# KiCad board FetsAndCrosses.kicad_pcb (continued)
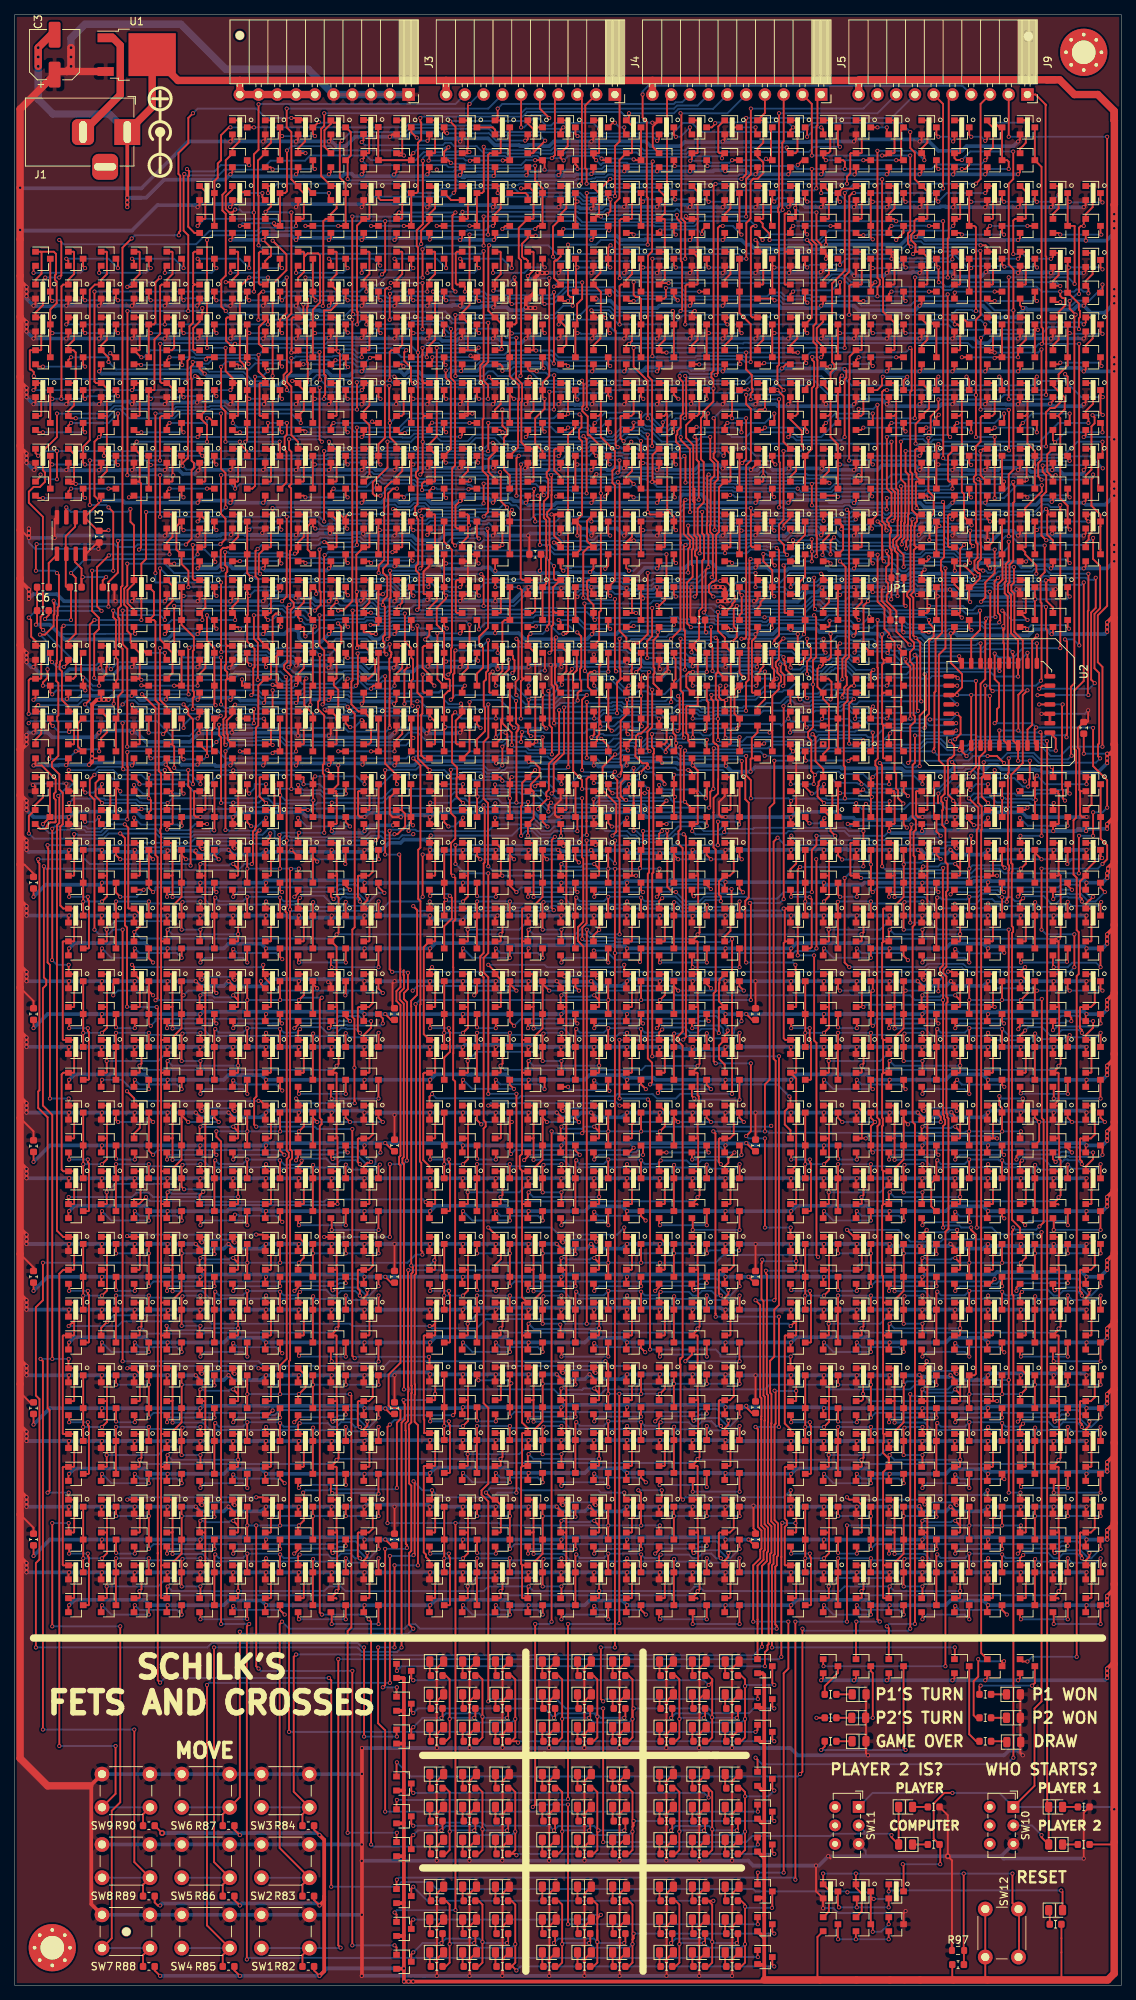
[diagram p0: board, top side]
## Routing (per net, layer and track width the routed paths; a pad name or vN(x,y) marks a point on that pad's centre or on a via; arc(x,y) is an arc through that point) (continued)
  Bottom w0.25: v1(34.85,99.06) v1(40.39,99.06) v1(44.83,99.06) v1(49.28,99.06) ; v1(32.7,101.6) 15.42,101.6 v1(15.21,101.39)
/PlayerMem_1/Sheet5EFB6D22/sheet5F46F157/B: length 21.1
  Top w0.25: 12.42,96.83 Q37.1 ; 12.42,96.83 12.49,96.91 12.49,101.2 12.42,101.28 Q38.1 ; 12.42,96.83 12.49,96.76 12.49,94.03 v1(11.81,93.34) ; Q39.3 Q40.3 v1(9.27,93.34) Q42.3
  Bottom w0.25: v1(9.27,93.34) v1(11.81,93.34)
/PlayerMem_1/sheet5F17B538/sheet5EFB6E86/D: length 49.9
  Top w0.25: Q46.3 v1(62.61,99.06) ; Q43.3 v1(67.06,99.06) Q44.3 v1(67.06,94.61) ; 96.16,87.94 96.86,87.94 96.93,88.02 96.93,92.31 96.86,92.39 Q68.1 96.16,93.04 96.65,93.54 v1(96.65,94.06)
  Bottom w0.25: v1(62.61,99.06) v1(67.06,99.06) ; v1(67.06,94.61) 67.69,95.25 92.45,95.25 92.83,95.63 95.08,95.63 v1(96.65,94.06)
/PlayerMem_1/sheet5F17B538/sheet5EFB6E86/sheet5EFA4EF6/A: length 31.4
  Top w0.25: Q75.3 71.48,99.08 v1(71.5,99.06) 71.5,95.9 Q76.3 71.48,93.96 70.41,92.89 v1(70.41,90.77) ; v1(75.95,98.97) 75.93,98.99 Q78.3 ; Q47.1 61.3,92.39 61.37,92.31 61.37,89.51 v1(61.34,89.53) 61.37,88.02 61.3,87.94 60.59,87.94
  Bottom w0.25: v1(75.95,98.97) 75.86,99.06 v1(71.5,99.06) ; v1(61.34,89.53) 62.58,90.77 v1(70.41,90.77)
/PlayerMem_1/sheet5F17B538/sheet5EFB6E86/sheet5EFA5AF5/A: length 51.2
  Top w0.25: Q74.1 96.86,101.28 97.38,100.76 97.38,97.36 96.86,96.83 Q73.1 95.45,96.83 95.36,96.74 95.36,93.62 v1(95.63,93.34) ; Q59.3 Q57.3 75.93,93.75 v1(76.05,93.87) ; 87.27,87.94 87.97,87.94 88.04,88.02 88.04,92.31 87.97,92.39 Q63.1 87.27,93.63 v1(87.48,93.85) ; Q58.3 80.38,93.96 v1(80.39,93.98) ; v1(84.84,93.86) 84.82,93.85 Q62.3
  Bottom w0.25: v1(76.05,93.87) 76.55,93.38 79.79,93.38 v1(80.39,93.98) 84.72,93.98 v1(84.84,93.86) 85.32,93.38 87.01,93.38 v1(87.48,93.85) 91.32,93.85 91.82,93.34 92.46,93.34 93.09,93.98 94.36,93.98 95,93.34 v1(95.63,93.34)
/PlayerMem_1/sheet5F17B538/sheet5EFB6E86/sheet5EFA557C/A: length 59.4
  Top w0.25: 74.63,96.83 74.71,96.91 74.71,101.2 74.63,101.28 Q78.1 73.93,100.63 74.02,100.54 v1(74.22,100.54) ; 74.63,96.83 Q77.1 73.93,98.31 v1(74.04,98.42) ; 74.63,96.83 74.71,96.76 74.71,92.47 74.63,92.39 Q57.1 74.04,92.5 v1(74.04,93.34) ; Q54.1 79.08,96.83 79.15,96.91 79.15,97.82 ; v1(78.49,98.42) 79.09,97.82 79.15,97.82 ; 79.15,97.82 79.15,101.2 79.08,101.28 Q53.1 78.38,101.05 v1(78.77,100.65) ; Q49.3 Q47.3 62.61,91.46 v1(62.61,93.34) ; Q48.3 67.04,93.33 v1(67.06,93.34) ; v1(71.5,89.53) 71.48,89.55 Q52.3 71.48,93.12 v1(71.61,93.24) ; v1(73.89,89.41) 73.93,89.37 73.93,87.94
  Bottom w0.25: v1(62.61,93.34) v1(67.06,93.34) 67.33,93.07 71.44,93.07 v1(71.61,93.24) 71.71,93.34 v1(74.04,93.34) ; v1(78.49,98.42) 78.1,98.42 77.91,98.24 74.61,98.24 74.43,98.42 v1(74.04,98.42) ; v1(73.89,89.41) 73.76,89.53 v1(71.5,89.53) ; v1(74.22,100.54) 74.61,100.93 78.5,100.93 v1(78.77,100.65)
/PlayerMem_1/sheet5F17B538/sheet5EFB6E86/sheet5EFA6019/A: length 55.7
  Top w0.25: Q76.1 70.19,96.83 70.26,96.91 ; 70.26,96.91 70.26,101.2 70.19,101.28 Q75.1 ; 70.26,96.91 70.27,96.9 v1(70.27,93.94) ; v1(82.93,93.34) 82.82,93.23 Q62.1 83.52,92.39 83.6,92.31 83.6,88.02 83.52,87.94 82.82,87.94 ; Q64.3 93.73,91.46 v1(93.73,93.34) ; Q68.3 98.17,91.46 v1(98.17,93.34) ; Q65.3 Q63.3 89.27,93.21 v1(89.3,93.25)
  Bottom w0.25: v1(98.17,93.34) 97.57,92.74 94.33,92.74 v1(93.73,93.34) 93.73,92.96 93.66,92.89 89.65,92.89 v1(89.3,93.25) 88.99,92.93 83.35,92.93 v1(82.93,93.34) 82.52,92.93 75.34,92.93 74.33,93.95 70.66,93.95 70.66,93.94 v1(70.27,93.94)
/PlayerMem_1/sheet5F17B538/sheet5F46F157/A: length 54.9
  Top w0.25: Q55.1 83.52,96.83 83.6,96.91 83.6,101.2 83.52,101.28 Q56.1 82.55,101.55 v1(82.55,102.55) ; Q69.3 89.27,99.08 v1(89.28,99.06) 89.27,99.04 Q71.3 ; 83.6,99.06 v1(83.75,99.06) ; Q70.3 93.73,100.31 v1(93.73,99.06) ; Q74.3 98.16,99.53 v1(98.08,99.46) ; Q44.1 65.06,97.48 65.83,98.26 65.83,101.2 65.76,101.28 Q43.1 65.06,101.63 v1(64.14,102.55)
  Bottom w0.25: v1(83.75,99.06) v1(89.28,99.06) v1(93.73,99.06) 94.12,99.46 v1(98.08,99.46) ; v1(64.14,102.55) 72.71,102.55 73.66,101.6 81.6,101.6 v1(82.55,102.55)
/PlayerMem_1/sheet5F17B538/sheet5F46F157/B: length 21.1
  Top w0.25: 61.31,96.83 Q45.1 ; 61.31,96.83 61.39,96.91 61.39,101.2 61.31,101.28 Q46.1 ; 61.31,96.83 61.39,96.76 61.39,94.03 v1(60.71,93.34) ; Q79.3 Q80.3 v1(58.17,93.34) Q82.3
  Bottom w0.25: v1(58.17,93.34) v1(60.71,93.34)
/PlayerMem_1/sheet5F17D798/sheet5EFB6E86/D: length 50.1
  Top w0.25: Q86.3 v1(111.51,99.06) ; Q83.3 v1(115.95,99.06) Q84.3 v1(115.95,94.61) ; 145.05,87.94 145.75,87.94 145.83,88.02 145.83,92.31 145.75,92.39 Q110.1 145.05,93.04 145.55,93.54 v1(145.55,94.06)
  Bottom w0.25: v1(111.51,99.06) v1(115.95,99.06) ; v1(145.55,94.06) 143.98,95.63 133.67,95.63 133,94.97 132.43,94.97 132.14,95.25 116.59,95.25 v1(115.95,94.61)
/PlayerMem_1/sheet5F17D798/sheet5EFB6E86/sheet5EFA4EF6/A: length 31.5
  Top w0.25: Q117.3 120.38,99.08 v1(120.4,99.06) 120.4,95.9 Q118.3 120.38,93.96 119.31,92.89 v1(119.31,90.68) ; v1(124.84,98.97) 124.83,98.99 Q120.3 ; Q89.1 110.19,92.39 110.27,92.31 110.27,89.51 v1(110.24,89.53) 110.27,88.02 110.19,87.94 109.49,87.94
  Bottom w0.25: v1(124.84,98.97) 124.75,99.06 v1(120.4,99.06) ; v1(119.31,90.68) 118.37,90.68 117.22,89.53 v1(110.24,89.53)
/PlayerMem_1/sheet5F17D798/sheet5EFB6E86/sheet5EFA5AF5/A: length 51.4
  Top w0.25: Q116.1 145.75,101.28 146.27,100.76 146.27,97.36 145.75,96.83 Q115.1 144.35,96.83 144.27,96.76 144.27,93.98 144.53,93.73 v1(144.53,93.34) ; Q101.3 Q99.3 124.83,93.75 v1(124.95,93.87) ; 136.16,87.94 136.86,87.94 136.94,88.02 136.94,92.31 136.86,92.39 Q105.1 136.16,93.59 v1(136.41,93.84) ; Q100.3 129.27,93.96 v1(129.29,93.98) ; v1(133.73,93.86) 133.72,93.85 Q104.3
  Bottom w0.25: v1(124.95,93.87) 125.44,93.38 128.69,93.38 v1(129.29,93.98) 133.62,93.98 v1(133.73,93.86) 134.22,93.38 135.95,93.38 v1(136.41,93.84) 136.68,94.12 139.95,94.12 140.72,93.34 141.35,93.34 141.99,93.98 143.89,93.98 v1(144.53,93.34)
/PlayerMem_1/sheet5F17D798/sheet5EFB6E86/sheet5EFA557C/A: length 60.2
  Top w0.25: 123.52,96.83 123.6,96.91 123.6,101.2 123.52,101.28 Q120.1 ; 123.52,96.83 Q119.1 122.83,98.31 v1(122.94,98.42) ; 123.52,96.83 123.6,96.76 123.6,92.47 123.52,92.39 Q99.1 122.94,92.5 v1(122.94,93.34) ; Q120.1 122.83,101.05 122.95,100.93 ; Q120.1 122.83,101.55 v1(123.51,102.23) ; Q96.1 127.97,96.83 128.05,96.91 128.05,97.82 ; v1(127.38,98.42) 127.99,97.82 128.05,97.82 ; 128.05,97.82 128.05,101.2 127.97,101.28 Q95.1 127.64,101.64 v1(127.64,102.23) ; Q91.3 Q89.3 111.51,91.46 v1(111.51,93.34) ; Q90.3 115.94,93.33 v1(115.95,93.34) ; v1(120.4,89.53) 120.38,89.55 Q94.3 120.38,93.12 v1(120.5,93.24) ; 122.83,87.94 122.94,88.06 v1(122.94,89.53)
  Bottom w0.25: v1(111.51,93.34) v1(115.95,93.34) 116.23,93.07 120.33,93.07 v1(120.5,93.24) 120.61,93.34 v1(122.94,93.34) ; v1(120.4,89.53) v1(122.94,89.53) ; v1(127.38,98.42) 126.99,98.42 126.81,98.24 123.51,98.24 123.32,98.42 v1(122.94,98.42) ; v1(127.64,102.23) 126.68,102.23 126.36,101.92 123.83,101.92 v1(123.51,102.23)
/PlayerMem_1/sheet5F17D798/sheet5EFB6E86/sheet5EFA6019/A: length 55.7
  Top w0.25: Q118.1 119.08,96.83 119.16,96.91 ; 119.16,96.91 119.16,101.2 119.08,101.28 Q117.1 ; 119.16,96.91 119.16,96.9 v1(119.16,93.94) ; v1(131.83,93.34) 131.72,93.23 Q104.1 132.41,92.39 132.49,92.31 132.49,88.02 132.41,87.94 131.72,87.94 ; Q106.3 142.62,91.46 v1(142.62,93.34) ; Q110.3 147.07,91.46 v1(147.07,93.34) ; Q107.3 Q105.3 138.16,93.21 v1(138.2,93.25)
  Bottom w0.25: v1(147.07,93.34) 146.47,92.74 143.22,92.74 v1(142.62,93.34) 142.62,92.96 142.56,92.89 138.55,92.89 v1(138.2,93.25) 137.88,92.93 132.24,92.93 v1(131.83,93.34) 131.41,92.93 124.24,92.93 123.22,93.95 119.56,93.95 119.55,93.94 v1(119.16,93.94)
/PlayerMem_1/sheet5F17D798/sheet5F46F157/A: length 57
  Top w0.25: Q97.1 132.41,96.83 132.49,96.91 132.49,101.2 132.41,101.28 Q98.1 132.03,100.96 v1(132.72,100.96) ; Q111.3 138.16,99.08 v1(138.18,99.06) 138.16,99.04 Q113.3 ; 132.49,99.06 v1(132.64,99.06) ; Q112.3 142.62,100.31 v1(142.62,99.06) ; Q116.3 147.07,100.31 v1(147.07,99.06) ; Q84.1 114.65,96.83 114.73,96.91 114.73,101.2 114.65,101.28 Q83.1 113.67,101.28 v1(112.71,102.23)
  Bottom w0.25: v1(132.64,99.06) v1(138.18,99.06) v1(142.62,99.06) v1(147.07,99.06) ; v1(112.71,102.23) 119.7,102.23 121.29,100.65 125.41,100.65 125.73,100.96 v1(132.72,100.96)
/PlayerMem_1/sheet5F17D798/sheet5F46F157/B: length 21.1
  Top w0.25: 110.21,96.83 Q85.1 ; 110.21,96.83 110.28,96.91 110.28,101.2 110.21,101.28 Q86.1 ; 110.21,96.83 110.28,96.76 110.28,94.03 v1(109.6,93.34) ; Q87.3 Q88.3 v1(107.06,93.34) Q122.3
  Bottom w0.25: v1(107.06,93.34) v1(109.6,93.34)
/PlayerMem_1/sheet5F1827A6/sheet5EFB6E86/D: length 49.9
  Top w0.25: Q214.3 v1(13.72,63.5) ; Q211.3 v1(18.16,63.5) Q212.3 v1(18.16,59.05) ; 47.26,52.38 47.96,52.38 48.04,52.46 48.04,56.75 47.96,56.83 Q278.1 47.26,57.48 47.76,57.98 v1(47.76,58.5)
  Bottom w0.25: v1(13.72,63.5) v1(18.16,63.5) ; v1(18.16,59.05) 18.8,59.69 43.56,59.69 43.94,60.07 46.19,60.07 v1(47.76,58.5)
/PlayerMem_1/sheet5F1827A6/sheet5EFB6E86/sheet5EFA4EF6/A: length 31.5
  Top w0.25: Q285.3 22.59,63.52 v1(22.61,63.5) 22.61,60.34 Q286.3 22.59,58.4 21.52,57.33 v1(21.52,55.12) ; v1(27.05,63.41) 27.04,63.43 Q288.3 ; Q257.1 12.4,56.83 12.48,56.75 12.48,53.95 v1(12.45,53.97) 12.48,52.46 12.4,52.38 11.7,52.38
  Bottom w0.25: v1(27.05,63.41) 26.96,63.5 v1(22.61,63.5) ; v1(21.52,55.12) 20.58,55.12 19.43,53.97 v1(12.45,53.97)
/PlayerMem_1/sheet5F1827A6/sheet5EFB6E86/sheet5EFA5AF5/A: length 51.2
  Top w0.25: Q284.1 47.96,65.72 48.48,65.2 48.48,61.8 47.96,61.27 Q283.1 46.56,61.27 46.46,61.18 46.46,58.06 v1(46.74,57.78) ; Q269.3 Q267.3 27.04,58.19 v1(27.16,58.31) ; 38.37,52.38 39.07,52.38 39.15,52.46 39.15,56.75 39.07,56.83 Q273.1 38.37,58.07 v1(38.58,58.29) ; Q268.3 31.48,58.4 v1(31.5,58.42) ; v1(35.94,58.3) 35.92,58.29 Q272.3
  Bottom w0.25: v1(27.16,58.31) 27.65,57.82 30.9,57.82 v1(31.5,58.42) 35.83,58.42 v1(35.94,58.3) 36.43,57.82 38.12,57.82 v1(38.58,58.29) 42.42,58.29 42.93,57.78 43.56,57.78 44.2,58.42 45.47,58.42 46.1,57.78 v1(46.74,57.78)
/PlayerMem_1/sheet5F1827A6/sheet5EFB6E86/sheet5EFA557C/A: length 59.8
  Top w0.25: 25.74,61.27 25.81,61.35 25.81,65.64 25.74,65.72 Q288.1 25.04,65.07 25.12,64.98 v1(25.32,64.98) ; 25.74,61.27 Q287.1 25.04,62.75 v1(25.15,62.86) ; 25.74,61.27 25.81,61.2 25.81,56.91 25.74,56.83 Q267.1 25.15,56.94 v1(25.15,57.78) ; Q264.1 30.18,61.27 30.26,61.35 30.26,62.26 ; v1(29.59,62.86) 30.2,62.26 30.26,62.26 ; 30.26,62.26 30.26,65.64 30.18,65.72 Q263.1 29.48,65.07 29.57,64.98 v1(29.77,64.98) ; Q259.3 Q257.3 13.72,55.9 v1(13.72,57.78) ; Q258.3 18.14,57.77 v1(18.16,57.78) ; v1(22.61,53.97) 22.59,53.99 Q262.3 22.59,57.56 v1(22.71,57.68) ; 25.04,52.38 25.15,52.5 v1(25.15,53.97)
  Bottom w0.25: v1(25.32,64.98) 25.71,65.37 29.38,65.37 v1(29.77,64.98) ; v1(13.72,57.78) v1(18.16,57.78) 18.44,57.51 22.54,57.51 v1(22.71,57.68) 22.82,57.78 v1(25.15,57.78) ; v1(22.61,53.97) v1(25.15,53.97) ; v1(29.59,62.86) 29.2,62.86 29.02,62.68 25.72,62.68 25.53,62.86 v1(25.15,62.86)
/PlayerMem_1/sheet5F1827A6/sheet5EFB6E86/sheet5EFA6019/A: length 55.7
  Top w0.25: Q286.1 21.29,61.27 21.37,61.35 ; 21.37,61.35 21.37,65.64 21.29,65.72 Q285.1 ; 21.37,61.35 21.37,61.34 v1(21.37,58.38) ; v1(34.04,57.78) 33.92,57.67 Q272.1 34.62,56.83 34.7,56.75 34.7,52.46 34.62,52.38 33.92,52.38 ; Q274.3 44.83,55.9 v1(44.83,57.78) ; Q278.3 49.28,55.9 v1(49.28,57.78) ; Q275.3 Q273.3 40.37,57.65 v1(40.41,57.69)
  Bottom w0.25: v1(49.28,57.78) 48.68,57.18 45.43,57.18 v1(44.83,57.78) 44.83,57.4 44.77,57.33 40.76,57.33 v1(40.41,57.69) 40.09,57.37 34.45,57.37 v1(34.04,57.78) 33.62,57.37 26.45,57.37 25.43,58.39 21.77,58.39 21.76,58.38 v1(21.37,58.38)
/PlayerMem_1/sheet5F1827A6/sheet5F46F157/A: length 53.3
  Top w0.25: Q265.1 34.62,61.27 34.7,61.35 34.7,65.64 34.62,65.72 Q266.1 33.61,66.04 v1(32.7,66.04) ; Q279.3 40.37,63.52 v1(40.39,63.5) 40.37,63.48 Q281.3 ; 34.7,63.5 v1(34.85,63.5) ; Q280.3 44.83,64.75 v1(44.83,63.5) ; Q284.3 49.28,64.75 v1(49.28,63.5) ; Q212.1 16.86,61.27 16.94,61.35 16.94,65.64 16.86,65.72 Q211.1 15.24,65.72 v1(15.24,65.72)
  Bottom w0.25: v1(34.85,63.5) v1(40.39,63.5) v1(44.83,63.5) v1(49.28,63.5) ; v1(32.7,66.04) 15.56,66.04 v1(15.24,65.72)
/PlayerMem_1/sheet5F1827A6/sheet5F46F157/B: length 21.1
  Top w0.25: 12.42,61.27 Q213.1 ; 12.42,61.27 12.49,61.35 12.49,65.64 12.42,65.72 Q214.1 ; 12.42,61.27 12.49,61.2 12.49,58.47 v1(11.81,57.78) ; Q247.3 Q248.3 v1(9.27,57.78) Q250.3
  Bottom w0.25: v1(9.27,57.78) v1(11.81,57.78)
/PlayerMem_1/sheet5F1827A7/sheet5EFB6E86/D: length 49.9
  Top w0.25: Q254.3 v1(62.61,63.5) ; Q251.3 v1(67.06,63.5) Q252.3 v1(67.06,59.05) ; 96.16,52.38 96.86,52.38 96.93,52.46 96.93,56.75 96.86,56.83 Q320.1 96.16,57.48 96.65,57.98 v1(96.65,58.5)
  Bottom w0.25: v1(62.61,63.5) v1(67.06,63.5) ; v1(67.06,59.05) 67.69,59.69 92.45,59.69 92.83,60.07 95.08,60.07 v1(96.65,58.5)
/PlayerMem_1/sheet5F1827A7/sheet5EFB6E86/sheet5EFA4EF6/A: length 31.5
  Top w0.25: Q327.3 71.48,63.52 v1(71.5,63.5) 71.5,60.34 Q328.3 71.48,58.4 70.41,57.33 v1(70.41,55.12) ; v1(75.95,63.41) 75.93,63.43 Q330.3 ; Q299.1 61.3,56.83 61.37,56.75 61.37,53.95 v1(61.34,53.97) 61.37,52.46 61.3,52.38 60.59,52.38
  Bottom w0.25: v1(75.95,63.41) 75.86,63.5 v1(71.5,63.5) ; v1(61.34,53.97) 62.49,55.12 v1(70.41,55.12)
/PlayerMem_1/sheet5F1827A7/sheet5EFB6E86/sheet5EFA5AF5/A: length 51.2
  Top w0.25: Q326.1 96.86,65.72 97.38,65.2 97.38,61.8 96.86,61.27 Q325.1 95.45,61.27 95.36,61.18 95.36,58.06 v1(95.63,57.78) ; Q311.3 Q309.3 75.93,58.19 v1(76.05,58.31) ; 87.27,52.38 87.97,52.38 88.04,52.46 88.04,56.75 87.97,56.83 Q315.1 87.27,58.07 v1(87.48,58.29) ; Q310.3 80.38,58.4 v1(80.39,58.42) ; v1(84.84,58.3) 84.82,58.29 Q314.3
  Bottom w0.25: v1(76.05,58.31) 76.55,57.82 79.79,57.82 v1(80.39,58.42) 84.72,58.42 v1(84.84,58.3) 85.32,57.82 87.01,57.82 v1(87.48,58.29) 91.32,58.29 91.82,57.78 92.46,57.78 93.09,58.42 94.36,58.42 95,57.78 v1(95.63,57.78)
/PlayerMem_1/sheet5F1827A7/sheet5EFB6E86/sheet5EFA557C/A: length 59.8
  Top w0.25: 74.63,61.27 74.71,61.35 74.71,65.64 74.63,65.72 Q330.1 73.93,65.07 74.02,64.98 v1(74.22,64.98) ; 74.63,61.27 Q329.1 73.93,62.75 v1(74.04,62.86) ; 74.63,61.27 74.71,61.2 74.71,56.91 74.63,56.83 Q309.1 74.04,56.94 v1(74.04,57.78) ; Q306.1 79.08,61.27 79.15,61.35 79.15,62.26 ; v1(78.49,62.86) 79.09,62.26 79.15,62.26 ; 79.15,62.26 79.15,65.64 79.08,65.72 Q305.1 78.38,65.07 78.46,64.98 v1(78.66,64.98) ; Q301.3 Q299.3 62.61,55.9 v1(62.61,57.78) ; Q300.3 67.04,57.77 v1(67.06,57.78) ; v1(71.5,53.97) 71.48,53.99 Q304.3 71.48,57.56 v1(71.61,57.68) ; 73.93,52.38 74.04,52.5 v1(74.04,53.97)
  Bottom w0.25: v1(74.22,64.98) 74.61,65.37 78.28,65.37 v1(78.66,64.98) ; v1(62.61,57.78) v1(67.06,57.78) 67.33,57.51 71.44,57.51 v1(71.61,57.68) 71.71,57.78 v1(74.04,57.78) ; v1(71.5,53.97) v1(74.04,53.97) ; v1(78.49,62.86) 78.1,62.86 77.91,62.68 74.61,62.68 74.43,62.86 v1(74.04,62.86)
/PlayerMem_1/sheet5F1827A7/sheet5EFB6E86/sheet5EFA6019/A: length 55.7
  Top w0.25: Q328.1 70.19,61.27 70.26,61.35 ; 70.26,61.35 70.26,65.64 70.19,65.72 Q327.1 ; 70.26,61.35 70.27,61.34 v1(70.27,58.38) ; v1(82.93,57.78) 82.82,57.67 Q314.1 83.52,56.83 83.6,56.75 83.6,52.46 83.52,52.38 82.82,52.38 ; Q316.3 93.73,55.9 v1(93.73,57.78) ; Q320.3 98.17,55.9 v1(98.17,57.78) ; Q317.3 Q315.3 89.27,57.65 v1(89.3,57.69)
  Bottom w0.25: v1(98.17,57.78) 97.57,57.18 94.33,57.18 v1(93.73,57.78) 93.73,57.4 93.66,57.33 89.65,57.33 v1(89.3,57.69) 88.99,57.37 83.35,57.37 v1(82.93,57.78) 82.52,57.37 75.34,57.37 74.33,58.39 70.66,58.39 70.66,58.38 v1(70.27,58.38)
/PlayerMem_1/sheet5F1827A7/sheet5F46F157/A: length 55
  Top w0.25: Q307.1 83.52,61.27 83.6,61.35 83.6,65.64 83.52,65.72 Q308.1 82.55,65.99 v1(82.55,66.67) ; Q321.3 89.27,63.52 v1(89.28,63.5) 89.27,63.48 Q323.3 ; 83.6,63.5 v1(83.75,63.5) ; Q322.3 93.73,64.75 v1(93.73,63.5) ; Q326.3 98.17,64.75 v1(98.17,63.5) ; Q252.1 65.76,61.27 65.83,61.35 65.83,64.99 65.11,65.72 Q251.1 64.77,65.72 v1(63.82,66.67)
  Bottom w0.25: v1(83.75,63.5) v1(89.28,63.5) v1(93.73,63.5) v1(98.17,63.5) ; v1(82.55,66.67) 79.38,66.67 79.06,66.99 68.52,66.99 68.23,67.28 64.42,67.28 v1(63.82,66.67)
/PlayerMem_1/sheet5F1827A7/sheet5F46F157/B: length 21.1
  Top w0.25: 61.31,61.27 Q253.1 ; 61.31,61.27 61.39,61.35 61.39,65.64 61.31,65.72 Q254.1 ; 61.31,61.27 61.39,61.2 61.39,58.47 v1(60.71,57.78) ; Q255.3 Q256.3 v1(58.17,57.78) Q290.3
  Bottom w0.25: v1(58.17,57.78) v1(60.71,57.78)
/PlayerMem_1/sheet5F1827A8/sheet5EFB6E86/D: length 49.9
  Top w0.25: Q294.3 v1(111.51,63.5) ; Q291.3 v1(115.95,63.5) Q292.3 v1(115.95,59.05) ; 145.05,52.38 145.75,52.38 145.83,52.46 145.83,56.75 145.75,56.83 Q362.1 145.05,57.48 145.55,57.98 v1(145.55,58.5)
  Bottom w0.25: v1(111.51,63.5) v1(115.95,63.5) ; v1(115.95,59.05) 116.59,59.69 141.35,59.69 141.73,60.07 143.98,60.07 v1(145.55,58.5)
/PlayerMem_1/sheet5F1827A8/sheet5EFB6E86/sheet5EFA4EF6/A: length 31.5
  Top w0.25: Q369.3 120.38,63.52 v1(120.4,63.5) 120.4,60.34 Q370.3 120.38,58.4 119.31,57.33 v1(119.31,55.12) ; v1(124.84,63.41) 124.83,63.43 Q372.3 ; Q341.1 110.19,56.83 110.27,56.75 110.27,53.95 v1(110.24,53.97) 110.27,52.46 110.19,52.38 109.49,52.38
  Bottom w0.25: v1(124.84,63.41) 124.75,63.5 v1(120.4,63.5) ; v1(119.31,55.12) 111.38,55.12 v1(110.24,53.97)
/PlayerMem_1/sheet5F1827A8/sheet5EFB6E86/sheet5EFA5AF5/A: length 51.4
  Top w0.25: Q368.1 145.75,65.72 146.27,65.2 146.27,61.8 145.75,61.27 Q367.1 144.35,61.27 144.28,61.2 144.28,60.04 144.27,60.04 144.27,58.42 144.53,58.17 v1(144.53,57.78) ; Q353.3 Q351.3 124.83,58.19 v1(124.95,58.31) ; 136.16,52.38 136.86,52.38 136.94,52.46 136.94,56.75 136.86,56.83 Q357.1 136.16,57.81 v1(136.58,58.23) ; Q352.3 129.27,58.4 v1(129.29,58.42) ; v1(133.73,58.3) 133.72,58.29 Q356.3
  Bottom w0.25: v1(124.95,58.31) 125.44,57.82 128.69,57.82 v1(129.29,58.42) 133.62,58.42 v1(133.73,58.3) 134.22,57.82 136.17,57.82 v1(136.58,58.23) 136.86,58.51 139.99,58.51 140.72,57.78 141.35,57.78 141.99,58.42 143.89,58.42 v1(144.53,57.78)
/PlayerMem_1/sheet5F1827A8/sheet5EFB6E86/sheet5EFA557C/A: length 59.4
  Top w0.25: 123.52,61.27 123.6,61.35 123.6,65.64 123.52,65.72 Q372.1 122.83,65.48 v1(123.23,65.07) ; 123.52,61.27 Q371.1 122.83,62.75 v1(122.94,62.86) ; 123.52,61.27 123.6,61.2 123.6,56.91 123.52,56.83 Q351.1 122.94,56.94 v1(122.94,57.78) ; Q348.1 127.97,61.27 128.05,61.35 128.05,62.26 ; v1(127.38,62.86) 127.99,62.26 128.05,62.26 ; 128.05,62.26 128.05,65.64 127.97,65.72 Q347.1 127.27,65.07 127.36,64.98 v1(127.56,64.98) ; Q343.3 Q341.3 111.51,55.9 v1(111.51,57.78) ; Q342.3 115.94,57.77 v1(115.95,57.78) ; v1(120.4,53.97) 120.38,53.99 Q346.3 120.38,57.56 v1(120.5,57.68) ; 122.83,52.38 122.94,52.5 v1(122.94,53.97)
  Bottom w0.25: v1(111.51,57.78) v1(115.95,57.78) 116.23,57.51 120.33,57.51 v1(120.5,57.68) 120.61,57.78 v1(122.94,57.78) ; v1(120.4,53.97) v1(122.94,53.97) ; v1(127.38,62.86) 126.99,62.86 126.81,62.68 123.51,62.68 123.32,62.86 v1(122.94,62.86) ; v1(127.56,64.98) 127.17,65.37 123.92,65.37 123.62,65.07 v1(123.23,65.07)
/PlayerMem_1/sheet5F1827A8/sheet5EFB6E86/sheet5EFA6019/A: length 55.7
  Top w0.25: Q370.1 119.08,61.27 119.16,61.35 ; 119.16,61.35 119.16,65.64 119.08,65.72 Q369.1 ; 119.16,61.35 119.16,61.34 v1(119.16,58.38) ; v1(131.83,57.78) 131.72,57.67 Q356.1 132.41,56.83 132.49,56.75 132.49,52.46 132.41,52.38 131.72,52.38 ; Q358.3 142.62,55.9 v1(142.62,57.78) ; Q362.3 147.07,55.9 v1(147.07,57.78) ; Q359.3 Q357.3 138.16,57.65 v1(138.2,57.69)
  Bottom w0.25: v1(147.07,57.78) 146.47,57.18 143.22,57.18 v1(142.62,57.78) 142.62,57.4 142.56,57.33 138.55,57.33 v1(138.2,57.69) 137.88,57.37 132.24,57.37 v1(131.83,57.78) 131.41,57.37 124.24,57.37 123.22,58.39 119.56,58.39 119.55,58.38 v1(119.16,58.38)
/PlayerMem_1/sheet5F1827A8/sheet5F46F157/A: length 55.5
  Top w0.25: Q349.1 132.41,61.27 132.49,61.35 132.49,65.64 132.41,65.72 Q350.1 131.76,65.67 v1(131.76,66.99) ; Q363.3 138.16,63.52 v1(138.18,63.5) 138.16,63.48 Q365.3 ; 132.49,63.5 v1(132.64,63.5) ; Q364.3 142.62,64.75 v1(142.62,63.5) ; Q368.3 147.07,64.75 v1(147.07,63.5) ; Q292.1 114.65,61.27 114.73,61.35 114.73,64.99 114,65.72 Q291.1 113.03,65.72 v1(112.71,66.04)
  Bottom w0.25: v1(132.64,63.5) v1(138.18,63.5) v1(142.62,63.5) v1(147.07,63.5) ; v1(112.71,66.04) 113.03,65.72 123.51,65.72 124.14,66.36 131.13,66.36 v1(131.76,66.99)
/PlayerMem_1/sheet5F1827A8/sheet5F46F157/B: length 21.1
  Top w0.25: 110.21,61.27 Q293.1 ; 110.21,61.27 110.28,61.35 110.28,65.64 110.21,65.72 Q294.1 ; 110.21,61.27 110.28,61.2 110.28,58.47 v1(109.6,57.78) ; Q295.3 Q296.3 v1(107.06,57.78) Q298.3
  Bottom w0.25: v1(107.06,57.78) v1(109.6,57.78)
/PlayerMem_1/sheet5F18011C/sheet5EFB6E86/D: length 50.1
  Top w0.25: Q126.3 v1(13.72,81.28) ; Q123.3 v1(18.16,81.28) Q124.3 v1(18.16,76.83) ; 47.26,70.16 47.96,70.16 48.04,70.24 48.04,74.53 47.96,74.61 Q152.1 47.26,75.26 47.76,75.76 v1(47.76,76.28)
  Bottom w0.25: v1(13.72,81.28) v1(18.16,81.28) ; v1(47.76,76.28) 46.19,77.85 35.88,77.85 35.21,77.19 34.64,77.19 34.35,77.47 18.8,77.47 v1(18.16,76.83)
/PlayerMem_1/sheet5F18011C/sheet5EFB6E86/sheet5EFA4EF6/A: length 31.5
  Top w0.25: Q159.3 22.59,81.3 v1(22.61,81.28) 22.61,78.12 Q160.3 22.59,76.18 21.52,75.11 v1(21.52,72.9) ; v1(27.05,81.19) 27.04,81.21 Q162.3 ; Q131.1 12.4,74.61 12.48,74.53 12.48,71.73 v1(12.45,71.75) 12.48,70.24 12.4,70.16 11.7,70.16
  Bottom w0.25: v1(27.05,81.19) 26.96,81.28 v1(22.61,81.28) ; v1(21.52,72.9) 20.58,72.9 19.43,71.75 v1(12.45,71.75)
/PlayerMem_1/sheet5F18011C/sheet5EFB6E86/sheet5EFA5AF5/A: length 51.2
  Top w0.25: Q158.1 47.96,83.5 48.48,82.98 48.48,79.58 47.96,79.05 Q157.1 46.56,79.05 46.46,78.96 46.46,75.84 v1(46.74,75.56) ; Q143.3 Q141.3 27.04,75.97 v1(27.16,76.09) ; 38.37,70.16 39.07,70.16 39.15,70.24 39.15,74.53 39.07,74.61 Q147.1 38.37,75.85 v1(38.58,76.07) ; Q142.3 31.48,76.18 v1(31.5,76.2) ; v1(35.94,76.08) 35.92,76.07 Q146.3
  Bottom w0.25: v1(27.16,76.09) 27.65,75.6 30.9,75.6 v1(31.5,76.2) 35.83,76.2 v1(35.94,76.08) 36.43,75.6 38.12,75.6 v1(38.58,76.07) 42.42,76.07 42.93,75.56 43.56,75.56 44.2,76.2 45.47,76.2 46.1,75.56 v1(46.74,75.56)
/PlayerMem_1/sheet5F18011C/sheet5EFB6E86/sheet5EFA557C/A: length 59.8
  Top w0.25: 25.74,79.05 25.81,79.13 25.81,83.42 25.74,83.5 Q162.1 25.04,82.85 25.12,82.76 v1(25.32,82.76) ; 25.74,79.05 Q161.1 25.04,80.53 v1(25.15,80.64) ; 25.74,79.05 25.81,78.98 25.81,74.69 25.74,74.61 Q141.1 25.15,74.72 v1(25.15,75.56) ; Q138.1 30.18,79.05 30.26,79.13 30.26,80.04 ; v1(29.59,80.64) 30.2,80.04 30.26,80.04 ; 30.26,80.04 30.26,83.42 30.18,83.5 Q137.1 29.48,82.85 29.57,82.76 v1(29.77,82.76) ; Q133.3 Q131.3 13.72,73.68 v1(13.72,75.56) ; Q132.3 18.14,75.55 v1(18.16,75.56) ; v1(22.61,71.75) 22.59,71.77 Q136.3 22.59,75.34 v1(22.71,75.46) ; 25.04,70.16 25.15,70.28 v1(25.15,71.75)
  Bottom w0.25: v1(25.32,82.76) 25.71,83.15 29.38,83.15 v1(29.77,82.76) ; v1(13.72,75.56) v1(18.16,75.56) 18.44,75.29 22.54,75.29 v1(22.71,75.46) 22.82,75.56 v1(25.15,75.56) ; v1(22.61,71.75) v1(25.15,71.75) ; v1(29.59,80.64) 29.2,80.64 29.02,80.46 25.72,80.46 25.53,80.64 v1(25.15,80.64)
/PlayerMem_1/sheet5F18011C/sheet5EFB6E86/sheet5EFA6019/A: length 55.7
  Top w0.25: Q160.1 21.29,79.05 21.37,79.13 ; 21.37,79.13 21.37,83.42 21.29,83.5 Q159.1 ; 21.37,79.13 21.37,79.12 v1(21.37,76.16) ; v1(34.04,75.56) 33.92,75.45 Q146.1 34.62,74.61 34.7,74.53 34.7,70.24 34.62,70.16 33.92,70.16 ; Q148.3 44.83,73.68 v1(44.83,75.56) ; Q152.3 49.28,73.68 v1(49.28,75.56) ; Q149.3 Q147.3 40.37,75.43 v1(40.41,75.47)
  Bottom w0.25: v1(49.28,75.56) 48.68,74.96 45.43,74.96 v1(44.83,75.56) 44.83,75.18 44.77,75.11 40.76,75.11 v1(40.41,75.47) 40.09,75.15 34.45,75.15 v1(34.04,75.56) 33.62,75.15 26.45,75.15 25.43,76.17 21.77,76.17 21.76,76.16 v1(21.37,76.16)
/PlayerMem_1/sheet5F18011C/sheet5F46F157/A: length 52.9
  Top w0.25: Q139.1 34.62,79.05 34.7,79.13 34.7,83.42 34.62,83.5 Q140.1 33.92,83.5 v1(33.02,83.5) ; Q153.3 40.37,81.3 v1(40.39,81.28) 40.37,81.26 Q155.3 ; 34.7,81.28 v1(34.85,81.28) ; Q154.3 44.83,82.53 v1(44.83,81.28) ; Q158.3 49.28,82.53 v1(49.28,81.28) ; v1(15.24,83.5) 15.24,83.5 Q123.1 16.21,83.5 16.94,82.77 16.94,79.13 16.86,79.05 Q124.1
  Bottom w0.25: v1(34.85,81.28) v1(40.39,81.28) v1(44.83,81.28) v1(49.28,81.28) ; v1(33.02,83.5) 32.7,83.82 15.56,83.82 v1(15.24,83.5)
/PlayerMem_1/sheet5F18011C/sheet5F46F157/B: length 21.1
  Top w0.25: 12.42,79.05 Q125.1 ; 12.42,79.05 12.49,79.13 12.49,83.42 12.42,83.5 Q126.1 ; 12.42,79.05 12.49,78.98 12.49,76.25 v1(11.81,75.56) ; Q127.3 Q128.3 v1(9.27,75.56) Q130.3
  Bottom w0.25: v1(9.27,75.56) v1(11.81,75.56)
/PlayerMem_1/sheet5F18011D/sheet5EFB6E86/D: length 49.8
  Top w0.25: Q193.1 96.86,70.29 96.93,70.37 96.93,74.66 96.86,74.73 Q194.1 96.16,75.38 96.65,75.88 v1(96.65,76.41) ; v1(67.06,76.96) Q164.3 67.06,81.28 v1(67.25,81.47) 67.06,81.66 Q163.3 ; Q166.3 62.61,82.07 v1(62.8,81.88)
  Bottom w0.25: v1(67.06,76.96) 67.69,77.59 92.45,77.59 92.83,77.98 95.08,77.98 v1(96.65,76.41) ; v1(67.25,81.47) 66.83,81.88 v1(62.8,81.88)
/PlayerMem_1/sheet5F18011D/sheet5EFB6E86/sheet5EFA4EF6/A: length 31.5
  Top w0.25: Q201.3 71.48,81.42 v1(71.5,81.4) 71.5,78.25 Q202.3 71.48,76.31 70.41,75.23 v1(70.41,73.02) ; v1(75.95,81.31) 75.93,81.33 Q204.3 ; Q173.1 61.3,74.73 61.37,74.66 61.37,71.85 v1(61.34,71.88) 61.37,70.37 61.3,70.29 Q175.1
  Bottom w0.25: v1(75.95,81.31) 75.86,81.4 v1(71.5,81.4) ; v1(70.41,73.02) 69.47,73.02 68.33,71.88 v1(61.34,71.88)
